# Altium PCB GATEWAY_PCB.PcbDoc
Units mil, origin at the board's own origin, x right, y up, seen from the top; angles counter-clockwise.
Board outline 3690 x 3470 mil, 2 copper layers (Top Layer, Bottom Layer); 88 components, 105 nets, 420 pads, 123 vias.
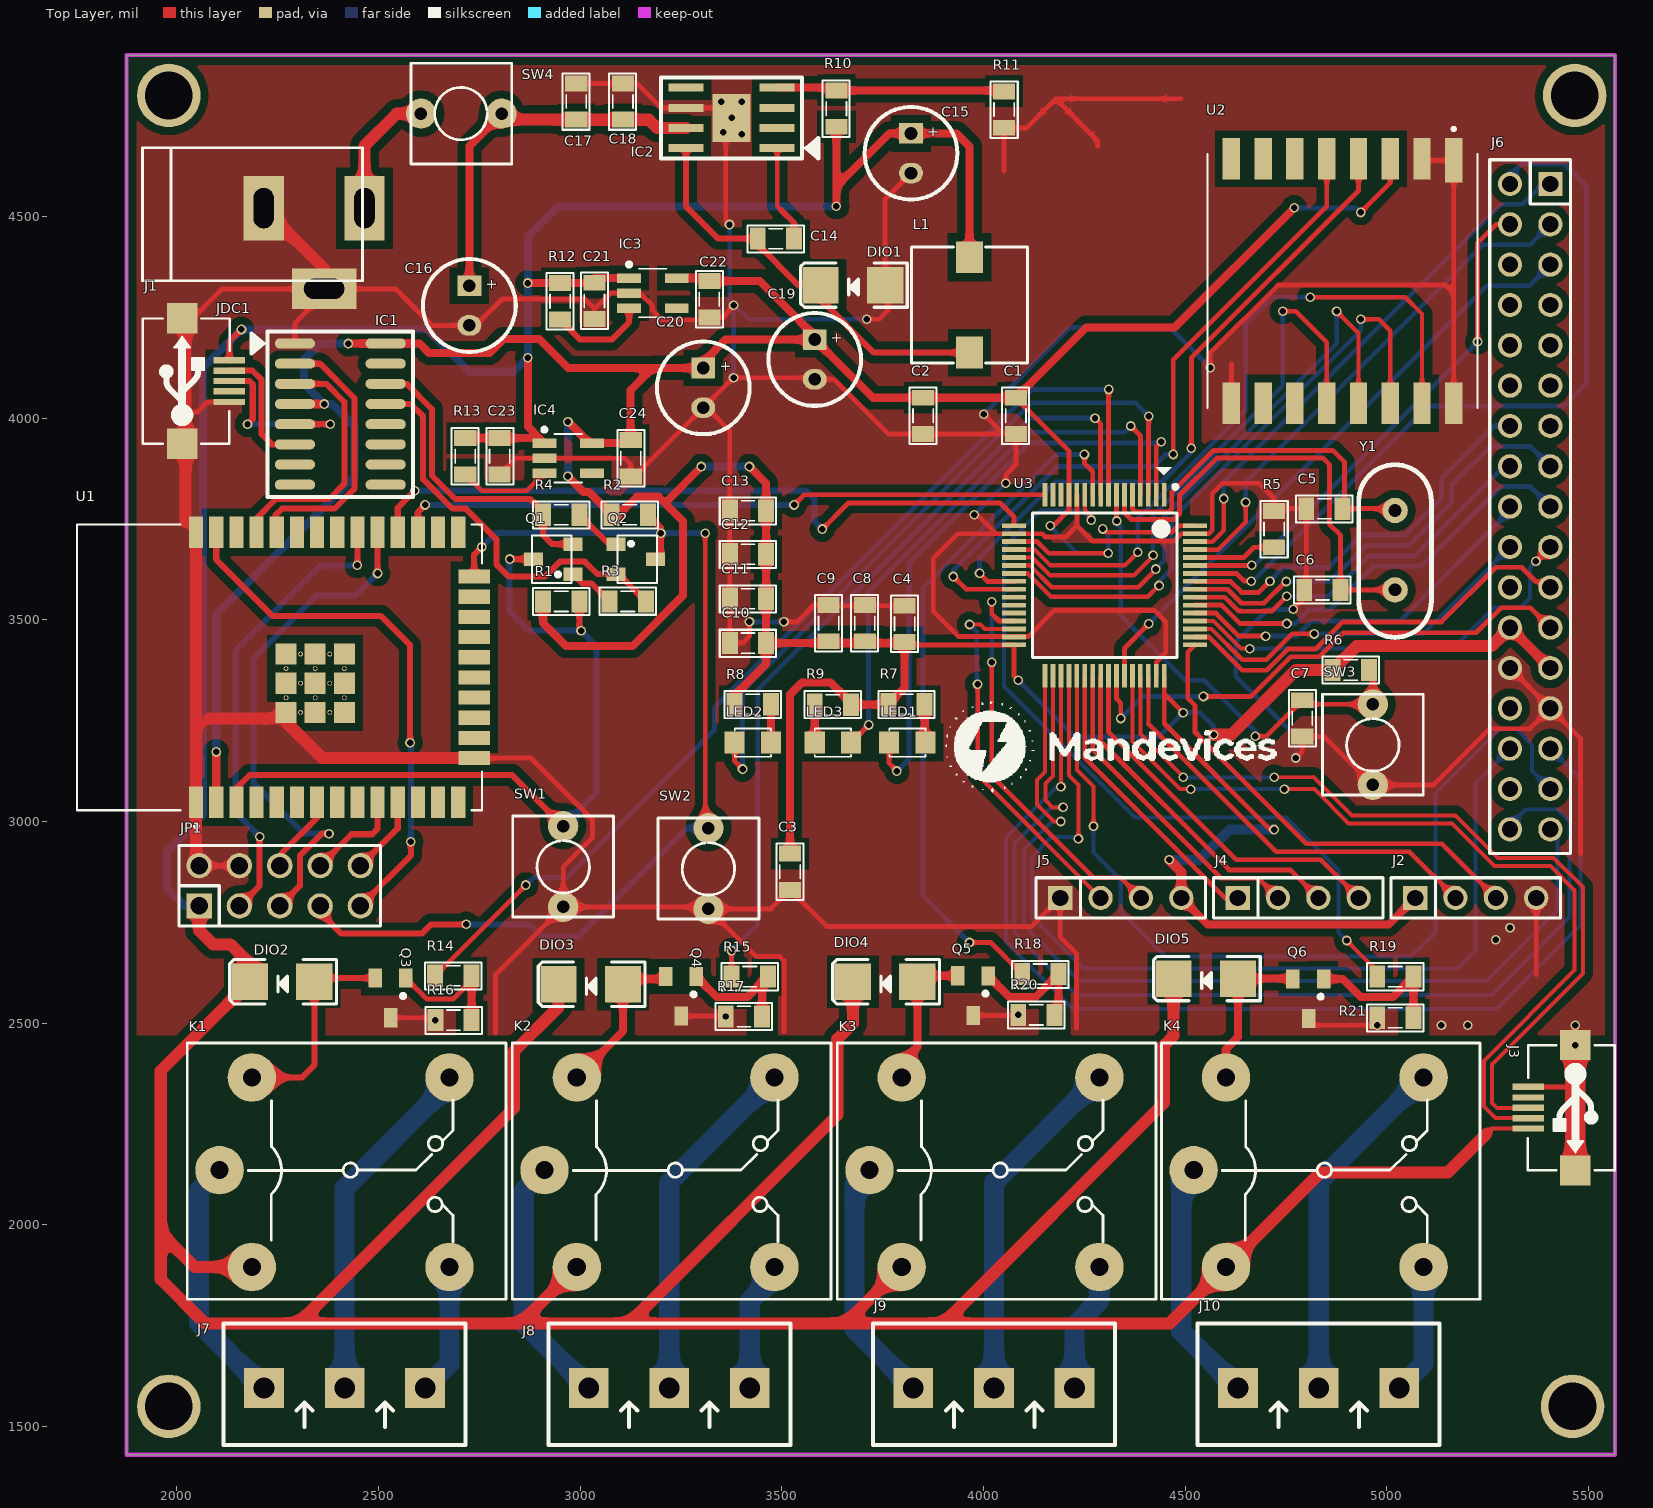
[diagram p0: Top Layer view]
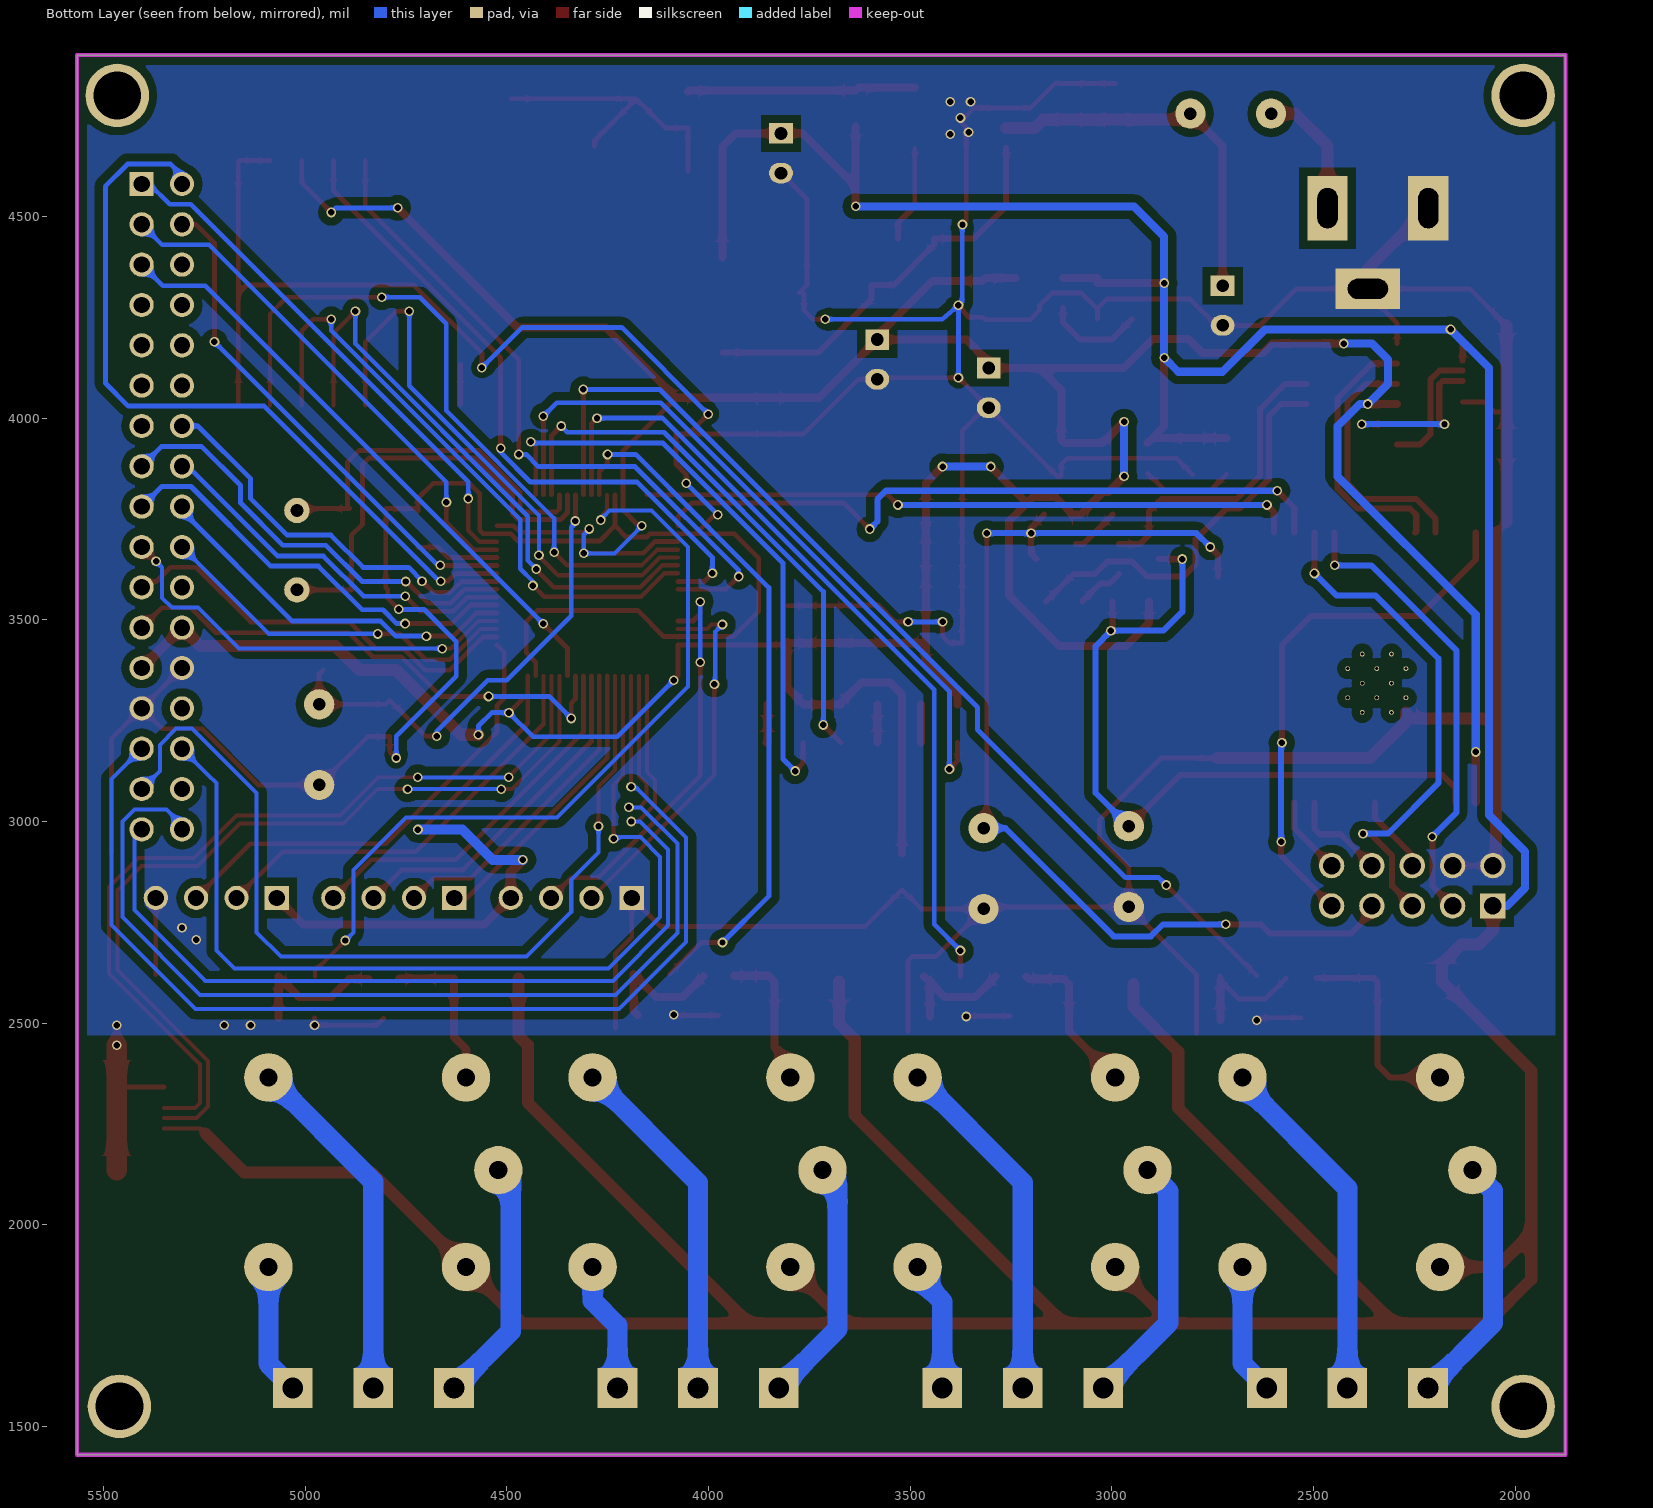
[diagram p1: Bottom Layer view, seen from below]
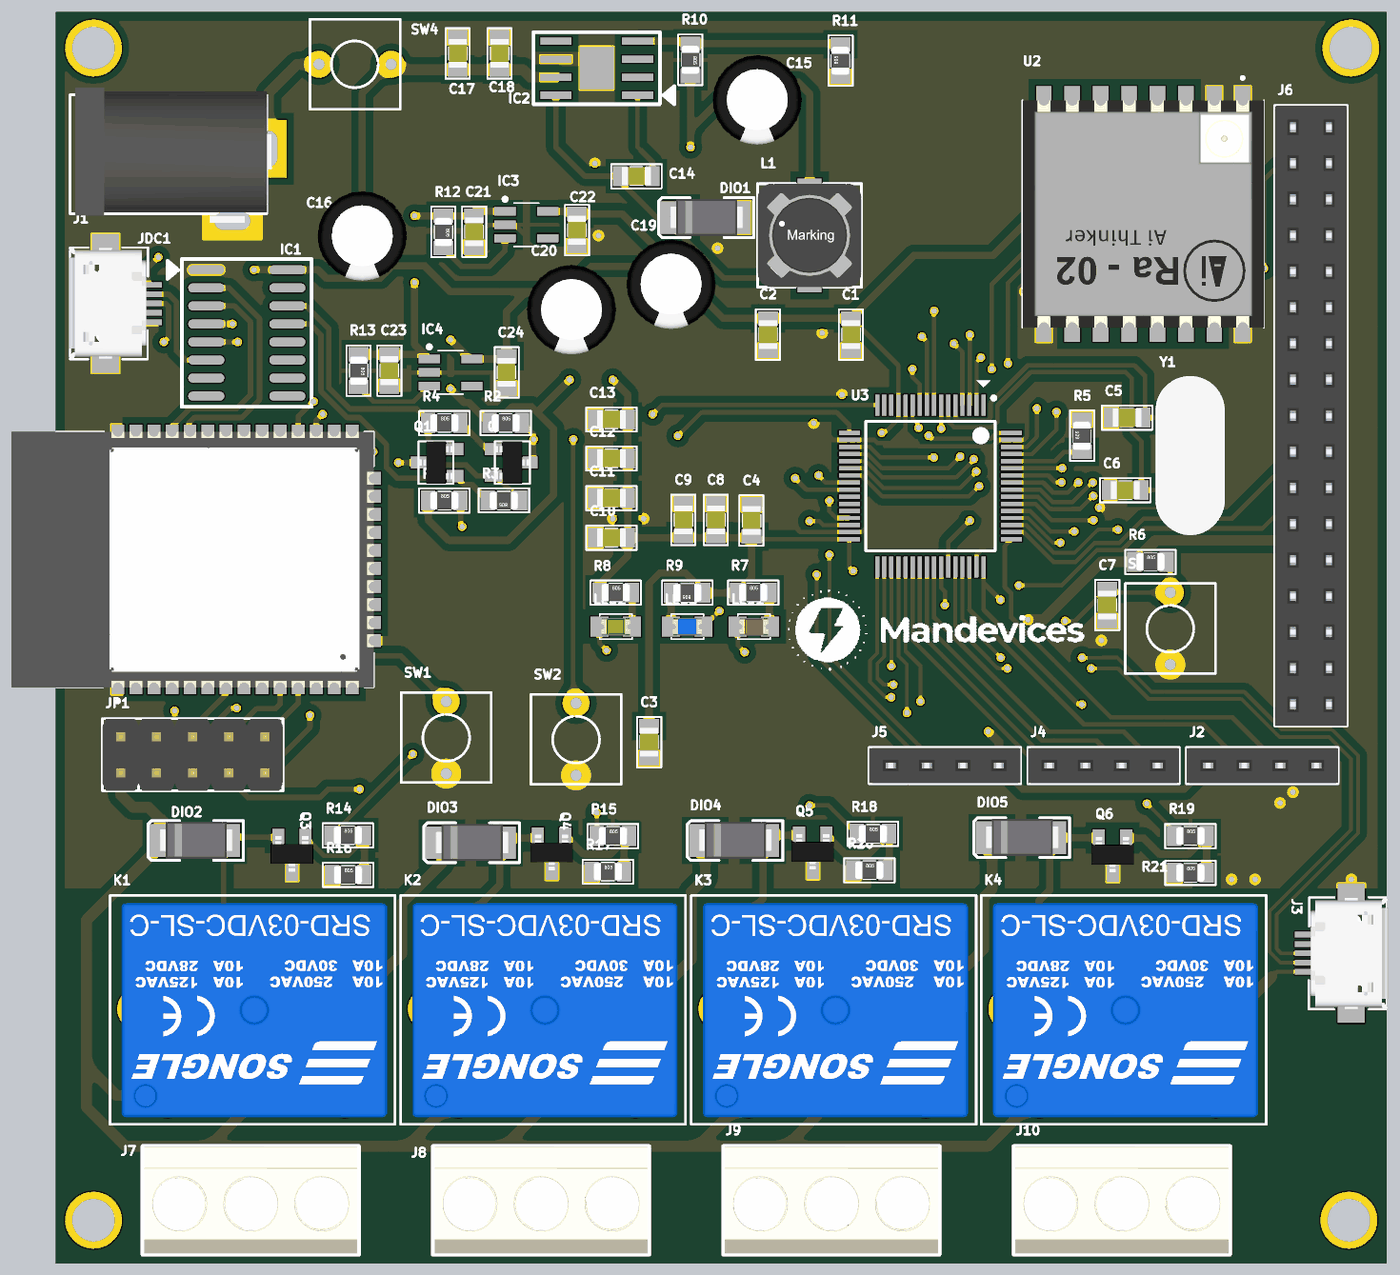
[diagram p2: 3D render of the assembled board from above, using the file's embedded part models]

## Layer stack, top to bottom
Top Solder: solder mask 0.4, Solder Resist, Dk 3.5
Top Layer: signal copper 1.4
Dielectric 1: dielectric 12.6, FR-4, Dk 4.8
Bottom Layer: signal copper 1.4
Bottom Solder: solder mask 0.4, Solder Resist, Dk 3.5

## Board outline
1875,1430 5565,1430 5565,4900 1875,4900

## Design rules (kind name [scope] priority, off if disabled: settings)
Clearance [All] p1: gap=20 ignorepadtopadclearanceinfootprint=TRUE except(0: Arc-Text Arc-Hole Track-Text Track-Hole SMDPad-Text SMDPad-Hole THPad-Text THPad-Hole Via-Text Via-Hole Fill-Text Fill-Hole Poly-Text Poly-Hole Region-Text Region-Hole Text-Text Text-Hole; 7: Arc-Arc Arc-Track Arc-SMDPad Track-Track Track-SMDPad SMDPad-SMDPad; 10: Arc-THPad Arc-Via Track-THPad Track-Via SMDPad-THPad SMDPad-Via THPad-THPad THPad-Via Via-Via)
DiffPairsRouting [All] p1: maxlimit=20 minlimit=7 mostfreqgap=10 toplayer_minwidth=10 toplayer_maxwidth=15 toplayer_prefwidth=12 bottomlayer_minwidth=10 bottomlayer_maxwidth=15 bottomlayer_prefwidth=12 maxuncoupledlength=500
PolygonConnect [All] p1: connectstyle=Direct reliefconductorwidth=10 reliefentries=4 polygonreliefangle="90 Angle" airgapwidth=10
RoomDefinition 06 [InComponentClass('06')] p1: confinementstyle=ConfineIn formatcopy=TRUE lockcomponents=FALSE outline 0,0 2000,0 2000,1000 0,1000
RoomDefinition 05 [InComponentClass('05')] p2: confinementstyle=ConfineIn formatcopy=TRUE lockcomponents=FALSE outline 0,0 2000,0 2000,1000 0,1000
RoomDefinition 04 [InComponentClass('04')] p3: confinementstyle=ConfineIn formatcopy=TRUE lockcomponents=FALSE outline 0,0 2000,0 2000,1000 0,1000
RoomDefinition 03 [InComponentClass('03')] p4: confinementstyle=ConfineIn formatcopy=TRUE lockcomponents=FALSE outline 0,0 2000,0 2000,1000 0,1000
RoomDefinition 02 [InComponentClass('02')] p5: confinementstyle=ConfineIn formatcopy=TRUE lockcomponents=FALSE outline 0,0 2000,0 2000,1000 0,1000
RoomDefinition 01 [InComponentClass('01')] p6: confinementstyle=ConfineIn formatcopy=TRUE lockcomponents=FALSE outline 0,0 2000,0 2000,1000 0,1000
RoutingVias [All] p1: holewidth=16 width=24 viastyle="Through Hole" minholewidth=16 minwidth=24 maxholewidth=16 maxwidth=24
SolderMaskExpansion [All] p1: expansion=4
Width [All] p1: maxlimit=50 minlimit=10 preferedwidth=12
29 further rules are at their usual default settings.

## Classes and differential pairs
component class 06: DIO2 DIO3 DIO4 DIO5 J7 J8 J9 J10 K1 K2 K3 K4 Q3 Q4 Q5 Q6 R14 R15 R16 R17 R18 R19 R20 R21
component class 05: J6
component class 04: C14 C15 C16 C17 C18 C19 C20 C21 C22 C23 C24 DIO1 IC2 IC3 IC4 JDC1 L1 R10 R11 R12 R13 SW4 tps
component class 03: C1 C2 IC1 J1 JP1 Q1 Q2 R1 R2 R3 R4 SW1 SW2 U1
component class 02: C3 U2
component class 01: C4 C5 C6 C7 C8 C9 C10 C11 C12 C13 J2 J3 J4 J5 LED1 LED2 LED3 R5 R6 R7 R8 R9 SW3 U3 Y1
differential pair USB: +USB_P -USB_N

## Components (designator, comment, footprint, x,y, rotation, side; value= is the part's Value field where it differs from the comment)
C1 "100nF" CAP_0805 4080,4005.59 r270 top value=33p
C2 "10uF" CAP_0805 3850,4005.59 r270 top value=33p
C3 "10uF" CAP_0805 3520,2875.59 r90 top value=33p
C4 "100nF" CAP_0805 3804.06,3490 r270 top value=33p
C5 "22pF" CAP_0805 4845,3775.59 r0 top value=33p
C6 "22pF" CAP_0805 4840,3574.2 r0 top value=33p
C7 "100nF" CAP_0805 4790,3255.59 r90 top value=33p
C8 "1uF" CAP_0805 3705.52,3491.77 r270 top value=33p
C9 "10nF" CAP_0805 3615.52,3491.77 r270 top value=33p
C10 "100nF" CAP_0805 3415.79,3442.4 r0 top value=33p
C11 "100nF" CAP_0805 3415.79,3552.4 r0 top value=33p
C12 "100nF" CAP_0805 3415.79,3662.4 r0 top value=33p
C13 "4.7uF" CAP_0805 3415.79,3770.59 r0 top value=33p
C14 "10nF" CAP_0805 3485,4445 r0 top value=33p
C15 "220uF/16V" C8mm 3820,4656.73 r270 top
C16 "470uF/25V" C8mm 2725,4279.21 r270 top
C17 "4.7uF" CAP_0805 2990,4785 r270 top value=33p
C18 "4.7uF" CAP_0805 3105.75,4785 r270 top value=33p
C19 "470uF/16V" C8mm 3581.22,4145.59 r270 top
C20 "470uF/16V" C8mm 3305,4075 r270 top
C21 "10uF" CAP_0805 3035,4290.59 r90 top value=33p
C22 "10uF" CAP_0805 3320,4295 r90 top value=33p
C23 "10uF" CAP_0805 2800,3905.59 r90 top value=33p
C24 "10uF" CAP_0805 3125,3900.59 r90 top value=33p
DIO1 "SS34" DIO-SMD-106 3675.79,4330 r0 top value=1N5007
DIO2 "1N4148" DIO-SMD-106 2260.79,2602.59 r0 top value=1N5007
DIO3 "1N4148" DIO-SMD-106 3025.79,2596.59 r0 top value=1N5007
DIO4 "1N4148" DIO-SMD-106 3755.79,2602.59 r0 top value=1N5007
DIO5 "1N4148" DIO-SMD-106 4550.79,2610.59 r0 top value=1N5007
IC1 "CH340C" SO16 2405,4010 r0 top
IC2 "TPS5430" TPS5430-2 3375,4744.23 r180 top
IC3 "RT9013" SOT23-5 3180,4310 r0 top
IC4 "RT9013" SOT23-5 2970,3900.59 r0 top
J1 "USB-5" USB-M1 2130,4092 r90 top
J2 "ST_Link" JP4-C1T 5070,2810.59 r0 top
J3 "USB-5" USB-M1 5350,2290 r270 top
J4 "JP4" JP4-C1T 4630,2810.59 r0 top
J5 "JP4" JP4-C1T 4190,2810.59 r0 top
J6 "JP17x2" JP17-C2T 5355,3780.59 r270 top
J7 "KF3" KF3-5.08 2215.79,1595.59 r0 top
J8 "KF3" KF3-5.08 3020.79,1595.59 r0 top
J9 "KF3" KF3-5.08 3825.79,1595.59 r0 top
J10 "KF3" KF3-5.08 4630.79,1595.59 r0 top
JDC1 "Jac DC" DC-IN 2340,4420.59 r0 top
JP1 "JP 2x5 2.54" JP5-D2T 2255,2840.59 r0 top
K1 "Relay-SPDT" RELAY5PIN-10A 2105.79,2135.59 r0 top
K2 "Relay-SPDT" RELAY5PIN-10A 2911.39,2135.59 r0 top
K3 "Relay-SPDT" RELAY5PIN-10A 3716.99,2135.59 r0 top
K4 "Relay-SPDT" RELAY5PIN-10A 4520.79,2135.59 r0 top
L1 "22uH" L-SMD-M-7.3x4.5 3965,4280.59 r180 top value="150 mH"
LED1 "LED" LED-0805-Red 3855.79,3195.59 r180 top value="LED 3 ly Single Colour"
LED2 "LED" LED-0805-Green 3472.77,3195.59 r180 top value="LED 3 ly Single Colour"
LED3 "LED" LED-0805-Blue 3581.22,3195.59 r0 top value="LED 3 ly Single Colour"
Q1 "C1815" SOT23D 2932.76,3650.57 r90 top
Q2 "C1815" SOT23D 3137.76,3650.57 r270 top
Q3 "2SC1815" SOT23 2530.79,2562.59 r180 top value=C1815
Q4 "2SC1815" SOT23 3250.79,2566.59 r180 top value=C1815
Q5 "2SC1815" SOT23 3974.59,2568.38 r180 top value=C1815
Q6 "2SC1815" SOT23 4805.79,2560.59 r180 top value=C1815
R1 "10k" RES-SMD-0805 2952.76,3545.57 r0 top
R2 "10k" RES-SMD-0805 3122.76,3760.57 r0 top
R3 "10k" RES-SMD-0805 3117.76,3545.57 r180 top
R4 "10k" RES-SMD-0805 2952.76,3760.57 r0 top
R5 "100k" RES-SMD-0805 4720,3725 r90 top
R6 "10k" RES-SMD-0805 4910,3375.59 r0 top
R7 "1k" RES-SMD-0805 3808.79,3290.59 r0 top
R8 "1k" RES-SMD-0805 3427.77,3290.59 r0 top
R9 "1k" RES-SMD-0805 3626.22,3289.59 r180 top
R10 "10k" RES-SMD-0805 3635,4767.39 r270 top
R11 "3.3k" RES-SMD-0805 4050.59,4765 r90 top
R12 "100k" RES-SMD-0805 2950,4290 r270 top
R13 "100k" RES-SMD-0805 2715,3905.59 r270 top
R14 "330R" RES-SMD-0805 2685,2617.38 r0 top
R15 "330R" RES-SMD-0805 3420,2615.59 r0 top
R16 "100k" RES-SMD-0805 2685.79,2507.59 r0 top
R17 "100k" RES-SMD-0805 3405.79,2516.59 r0 top
R18 "330R" RES-SMD-0805 4140.79,2621.59 r0 top
R19 "330R" RES-SMD-0805 5020.79,2615.59 r0 top
R20 "100k" RES-SMD-0805 4130.79,2520.59 r0 top
R21 "100k" RES-SMD-0805 5020.79,2513.38 r0 top
SW1 "SW" SW2 2957.76,2788.35 r90 top value="SW chip 2 pin"
SW2 "SW" SW2 3317.76,2783.35 r90 top value="SW chip 2 pin"
SW3 "SW" SW2 4965,3090.59 r90 top value="SW chip 2 pin"
SW4 "A_ON/OFF" SW2 2605,4755 r0 top value="SW chip 2 pin"
U1 "esp_32_wroom" MODULE_ESP32-WROOM-32 2254.57,3382.2 r90 top
U2 "Ra-02 LoRa" Ra-02 4890,4340 r270 top
U3 "stm32f103rct6" QFP50P1200X1200X160-64N 4300,3585.59 r270 top
Y1 "8MHz" XTAL 5020,3670.59 r270 top

## Footprints (in the part's own frame and the unit in brackets; to place one, negate y for a bottom-side part, rotate by r counter-clockwise, add the part's x,y. Pads: shape width x height; smd on the part's side, far side on the other; paste and mask are expansions set on the pad)
C8mm [mm]
  rect 1.3x1.5 hole 0.8: 1(-1.25,0)
  oval 1.3x1.5 hole 0.8: 2(1.25,0)
  silkscreen extent -2.92,-2.92 2.92,2.92, body extent -3.15,-3.15 3.16,3.15, height 11.51
CAP_0805 [mil]
  rect 39.37x55 smd: 1(-45,0) 2(45,0)
  silkscreen extent -70,-34 70,33, body extent -40,-25 40,25, height 24
DC-IN [mil] "Jac DC input"
  rect 100x160 hole 50 slot 100 at 90 deg: 1(125,100) 2(-125,100)
  rect 160x100 hole 50 slot 100 at 0 deg: 3(25,-100)
  silkscreen extent -425,-80 120,250, body extent -410,-105 134,269, height 434
DIO-SMD-106 [mil]
  rect 90x90.55 smd: 1(80,0) 2(-80,0)
  silkscreen extent -130,-55 135,55, body extent -99,-50 106,52, height 95
JP4-C1T [mm] "4 row, straight, gold plating"
  rect 1.52x1.52 hole 1.02: 1(0,0)
  round 1.52 hole 1.02: 2(2.54,0) 3(5.08,0) 4(7.62,0)
  silkscreen extent -1.52,-1.27 9.14,1.27, body extent -1.52,-1.25 9.14,1.25, height 8.51
JP5-D2T [mm] "10 pins, dual pin, straight, gold plating"
  rect 1.6x1.6 hole 1.1: 1(-5.08,-1.27)
  round 1.6 hole 1.1: 2(-2.54,-1.27) 3(0,-1.27) 4(2.54,-1.27) 5(5.08,-1.27) 6(5.08,1.27) 7(2.54,1.27) 8(0,1.27) 9(-2.54,1.27) 10(-5.08,1.27)
  silkscreen extent -6.35,-2.54 6.35,2.54, body extent -6.35,-2.54 6.35,2.54, height 8.55
JP17-C2T [mm] "34 pins, dual row, straight, gold plating"
  rect 1.52x1.52 hole 1.02: 1(-20.32,1.27)
  round 1.52 hole 1.02: 2(-17.78,1.27) 3(-15.24,1.27) 4(-12.7,1.27) 5(-10.16,1.27) 6(-7.62,1.27) 7(-5.08,1.27) 8(-2.54,1.27) 9(0,1.27) 10(2.54,1.27) 11(5.08,1.27) 12(7.62,1.27) 13(10.16,1.27) 14(12.7,1.27) 15(15.24,1.27) 16(17.78,1.27) 17(20.32,1.27) 18(20.32,-1.27) 19(17.78,-1.27) 20(15.24,-1.27) 21(12.7,-1.27) 22(10.16,-1.27) 23(7.62,-1.27) 24(5.08,-1.27) 25(2.54,-1.27) 26(0,-1.27) 27(-2.54,-1.27) 28(-5.08,-1.27) 29(-7.62,-1.27) 30(-10.16,-1.27) 31(-12.7,-1.27) 32(-15.24,-1.27) 33(-17.78,-1.27) 34(-20.32,-1.27)
  silkscreen extent -21.84,-2.54 21.84,2.54, body extent -21.84,-2.54 21.84,2.54, height 8.51
KF3-5.08 [mm]
  rect 2.5x2.5 hole 1.3: 1(0,0) 2(5.08,0) 3(10.147,0)
  silkscreen extent -2.54,-3.58 12.7,4.06, body extent -2.42,-3.51 12.58,3.99, height 10
L-SMD-M-7.3x4.5 [mm] "WE-PDA SMD Shielded Power Inductor, 7345"
  rect 1.7x2 smd: 1(0,3) 2(0,-3)
  silkscreen extent -3.65,-3.65 3.65,3.65, body extent -3.65,-3.65 3.65,3.65, height 4.05
LED-0805-Blue [mil]
  rect 50x55 smd: 1(0,0) 2(90,0)
  silkscreen extent 0,-35 90,35, body extent 5,-25 85,25, height 43
LED-0805-Green [mil]
  rect 50x55 smd: 1(0,0) 2(90,0)
  silkscreen extent 0,-35 90,35, body extent 5,-25 85,25, height 43
LED-0805-Red [mil]
  rect 50x55 smd: 1(0,0) 2(90,0)
  silkscreen extent 0,-35 90,35, body extent 5,-25 85,25, height 43
MODULE_ESP32-WROOM-32 [mm]
  rect 2x0.9 smd: 1(-8.5,5.26) 2(-8.5,3.99) 3(-8.5,2.72) 4(-8.5,1.45) 5(-8.5,0.18) 6(-8.5,-1.09) 7(-8.5,-2.36) 8(-8.5,-3.63) 9(-8.5,-4.9) 10(-8.5,-6.17) 11(-8.5,-7.44) 12(-8.5,-8.71) 13(-8.5,-9.98) 14(-8.5,-11.25) 25(8.5,-11.25) 26(8.5,-9.98) 27(8.5,-8.71) 28(8.5,-7.44) 29(8.5,-6.17) 30(8.5,-4.9) 31(8.5,-3.63) 32(8.5,-2.36) 33(8.5,-1.09) 34(8.5,0.18) 35(8.5,1.45) 36(8.5,2.72) 37(8.5,3.99) 38(8.5,5.26)
  rect 0.9x2 smd: 15(-5.715,-12.25) 16(-4.445,-12.25) 17(-3.175,-12.25) 18(-1.905,-12.25) 19(-0.635,-12.25) 20(0.635,-12.25) 21(1.905,-12.25) 22(3.175,-12.25) 23(4.445,-12.25) 24(5.715,-12.25)
  rect 1.33x1.33 smd: 39_1(-2.835,-0.405) 39_2(-1,-0.405) 39_3(0.835,-0.405) 39_4(-2.835,-2.24) 39_5(-1,-2.24) 39_6(0.835,-2.24) 39_7(-2.835,-4.075) 39_8(-1,-4.075) 39_9(0.835,-4.075)
  round 0.3 hole 0.2: 39_10(-1.917,-0.405) 39_11(-0.082,-0.405) 39_12(-2.835,-1.322) 39_13(-1,-1.322) 39_14(0.835,-1.322) 39_15(-1.917,-2.24) 39_16(-0.082,-2.24) 39_17(-2.835,-3.157) 39_18(-1,-3.157) 39_19(0.835,-3.157) 39_20(-1.917,-4.075) 39_21(-0.082,-4.075)
  silkscreen extent -10.1,-12.75 9,12.75, body extent -10.54,-12.75 8.98,12.75, height 3.2
QFP50P1200X1200X160-64N [mm] "QFP,0.50mm pitch,square;16 pin X 16 pin,10.00mm X 10.00mm X 1.60mm H body"
  rect 1.5x0.3 smd: 1(-5.7,3.75) 2(-5.7,3.25) 3(-5.7,2.75) 4(-5.7,2.25) 5(-5.7,1.75) 6(-5.7,1.25) 7(-5.7,0.75) 8(-5.7,0.25) 9(-5.7,-0.25) 10(-5.7,-0.75) 11(-5.7,-1.25) 12(-5.7,-1.75) 13(-5.7,-2.25) 14(-5.7,-2.75) 15(-5.7,-3.25) 16(-5.7,-3.75) 33(5.7,-3.75) 34(5.7,-3.25) 35(5.7,-2.75) 36(5.7,-2.25) 37(5.7,-1.75) 38(5.7,-1.25) 39(5.7,-0.75) 40(5.7,-0.25) 41(5.7,0.25) 42(5.7,0.75) 43(5.7,1.25) 44(5.7,1.75) 45(5.7,2.25) 46(5.7,2.75) 47(5.7,3.25) 48(5.7,3.75)
  rect 0.3x1.5 smd: 17(-3.75,-5.7) 18(-3.25,-5.7) 19(-2.75,-5.7) 20(-2.25,-5.7) 21(-1.75,-5.7) 22(-1.25,-5.7) 23(-0.75,-5.7) 24(-0.25,-5.7) 25(0.25,-5.7) 26(0.75,-5.7) 27(1.25,-5.7) 28(1.75,-5.7) 29(2.25,-5.7) 30(2.75,-5.7) 31(3.25,-5.7) 32(3.75,-5.7) 49(3.75,5.7) 50(3.25,5.7) 51(2.75,5.7) 52(2.25,5.7) 53(1.75,5.7) 54(1.25,5.7) 55(0.75,5.7) 56(0.25,5.7) 57(-0.25,5.7) 58(-0.75,5.7) 59(-1.25,5.7) 60(-1.75,5.7) 61(-2.25,5.7) 62(-2.75,5.7) 63(-3.25,5.7) 64(-3.75,5.7)
  silkscreen extent -7.44,-4.55 4.55,4.58
Ra-02 [mm]
  rect 2.8x1.1 smd: 1(-7.6,7)
  rect 2.6x1.1 smd: 2(-7.7,5) 3(-7.7,3) 4(-7.7,1) 5(-7.7,-1) 6(-7.7,-3) 7(-7.7,-5) 8(-7.7,-7) 9(7.7,-7) 10(7.7,-5) 11(7.7,-3) 12(7.7,-1) 13(7.7,1) 14(7.7,3) 15(7.7,5) 16(7.7,7)
  silkscreen extent -9.68,-8.5 8,8.5, body extent -8,-8.49 8,8.51, height 3.03
RELAY5PIN-10A [mil]
  round 120 hole 45: 1(0,0) 2(570,230) 3(570,-240) 4(80,-240) 5(80,230)
  silkscreen extent -80,-320 710,315, body extent -48,-300 688,294, height 102
RES-SMD-0805 [mil]
  rect 39.37x55 smd: 1(-45,0) 2(45,0)
  silkscreen extent -70,-34 70,33, body extent -39,-25 39,25, height 31
SO16 [mil]
  oval 100x25 smd: 1(-112.36,175) 2(-112.36,125) 3(-112.36,75) 4(-112.36,25) 5(-112.36,-25) 6(-112.36,-75) 7(-112.36,-125) 8(-112.36,-175) 9(112.36,-175) 10(112.36,-125) 11(112.36,-75) 12(112.36,-25) 13(112.36,25) 14(112.36,75) 15(112.36,125) 16(112.36,175)
  silkscreen extent -220,-205 180,205, body extent -137,-195 137,195, height 69
SOT23 [mm] "SOT 23 _ 1-3-2"
  rect 0.85x1.2 smd: 1(-0.94,-1.245) 2(0.985,-1.25) 3(0.005,1.25)
  silkscreen extent -0.89,-0.25 -0.64,0, body extent -1.47,-1.33 1.53,1.17, height 1.06
SOT23-5 [mm] "SOT23, 5-Leads, Body 3.0x3.0mm (max), Pitch 0.95mm, IPC Medium Density"
  rect 1.5x0.6 smd: 1(-1.5,0.95) 2(-1.5,0) 3(-1.5,-0.95) 4(1.5,-0.95) 5(1.5,0.95)
  silkscreen extent -1.62,-1.52 0.87,1.92, body extent -1.75,-1.52 1.75,1.53, height 1.45
SOT23D [mm] "SOT 23C - 1-3-2 - BCE"
  rect 0.85x1.2 smd: 1(-0.95,-1.25) 2(0.94,-1.245) 3(0,1.25)
  silkscreen extent -1.5,-1.14 1.5,1.32, body extent -1.5,-1.17 1.5,1.33, height 1.06
SW2 [mil] "SW button 2pin, 250x 250 mil"
  round 75 hole 31: 1(0,0) 2(200,0)
  silkscreen extent -25,-125 225,125
TPS5430-2 [mm]
  rect 2.2x0.508 smd: 1(-2.875,1.905) 2(-2.875,0.635) 3(-2.875,-0.635) 4(-2.875,-1.905) 5(2.875,-1.905) 6(2.875,-0.635) 7(2.875,0.635) 8(2.875,1.905)
  rect 2.413x2.54 smd: 9(0,0.229) 9(0,-0.229)
  silkscreen extent -5.46,-2.54 4.44,2.54, body extent -3.33,-2.49 3.33,2.49, height 1.69
USB-M1 [mm]
  rect 0.4x2 smd: 1(1.3,0) 2(0.65,0) 3(0,0) 4(-0.65,0) 5(-1.321,0)
  rect 1.9x1.9 smd: 5(-3.95,2.968) 5(3.95,2.968)
  silkscreen extent -3.94,-0.03 3.94,5.46, body extent -3.98,0.11 4,5.54, height 2.71
XTAL [mm]
  round 1.6 hole 0.8: 1(-2.552,0.001) 2(2.448,0.001)
  silkscreen extent -5.44,-2.29 5.44,2.29, body extent -5.55,-2.32 5.62,2.35, height 3.63
